# KiCad board panel_r0.1.kicad_pcb (continued)
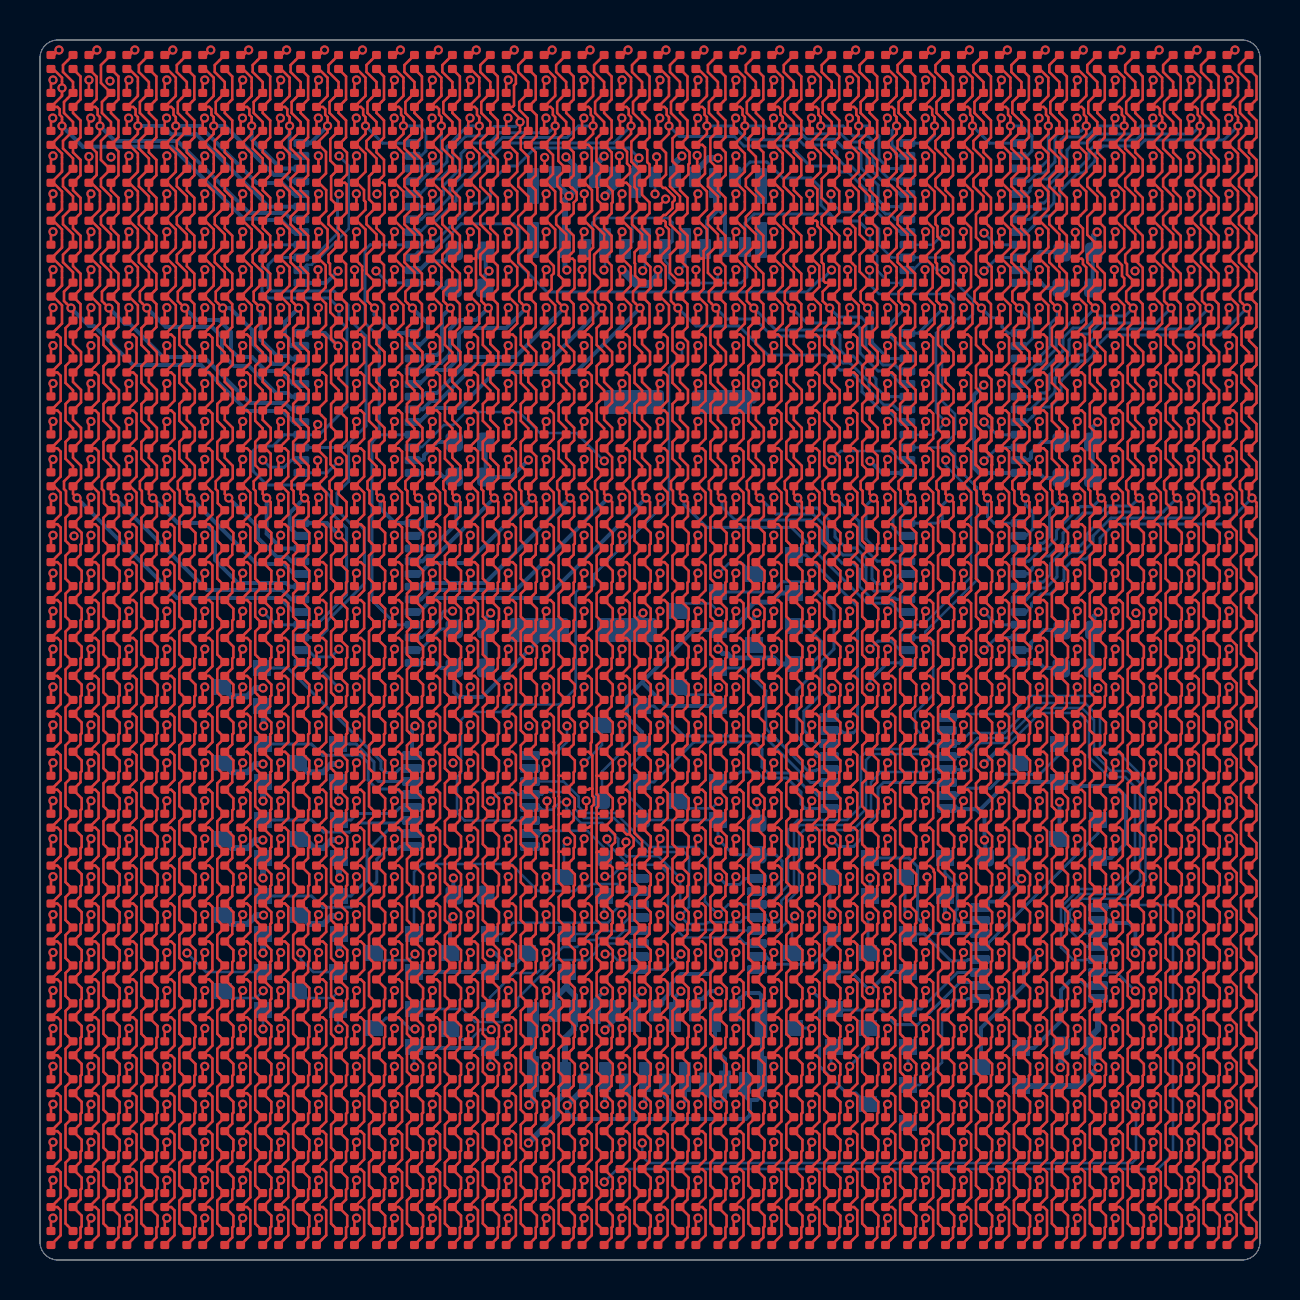
[diagram p0: board, top side]
## Routing (per net, layer and track width the routed paths; a pad name or vN(x,y) marks a point on that pad's centre or on a via; arc(x,y) is an arc through that point) (continued)
COL_GA2: length 79.5
  Top w0.127: D3.3 5.82,59.18 5.82,58.03 D35.3 5.44,57.35 5.82,56.98 5.82,56.13 D67.3 5.44,55.38 5.82,55.01 5.82,54.23 D99.3 5.44,53.49 5.82,53.11 5.82,52.34 D131.3 5.44,51.59 5.82,51.21 5.82,50.44 D163.3 5.44,49.69 5.82,49.32 5.82,48.54 D195.3 5.82,47.8 5.82,46.65 D227.3 5.44,45.8 5.84,45.4 5.84,44.78 D259.3 5.44,43.9 5.84,43.5 5.84,42.88 D291.3 5.44,42.01 5.84,41.61 5.84,40.98 D323.3 5.44,40.11 5.84,39.71 5.84,39.09 D355.3 5.44,38.3 v1(5.64,38.1) 5.84,37.9 5.84,37.19 D387.3 5.88,36.36 5.88,35.82 5.82,35.76 5.82,35.27 D419.3 5.88,34.46 5.88,33.92 5.82,33.87 5.82,33.37 D451.3 5.88,32.57 5.88,32.03 5.82,31.97 5.82,31.47 D483.3 5.88,30.67 5.88,30.13 5.82,30.07 5.82,29.58 D515.3 5.88,28.77 5.88,28.23 5.82,28.18 5.82,27.68 D547.3 5.88,26.87 5.88,26.34 5.82,26.28 5.82,25.78 D579.3 5.88,24.98 5.88,24.44 5.82,24.38 5.82,23.89 D611.3 5.88,23.08 5.88,22.54 5.82,22.49 5.82,21.99 D643.3 5.88,21.18 5.88,20.65 5.82,20.59 5.82,20.09 D675.3 5.88,19.29 5.88,18.75 5.82,18.69 5.82,18.2 D707.3 5.88,17.39 5.88,16.85 5.82,16.8 5.82,16.3 D739.3 5.88,15.49 5.88,14.96 5.82,14.9 5.82,14.4 D771.3 5.88,13.6 5.88,13.06 5.82,13 5.82,12.51 D803.3 5.88,11.7 5.88,11.16 5.82,11.11 5.82,10.61 D835.3 5.88,9.8 5.88,9.27 5.82,9.21 5.82,8.71 D867.3 5.88,7.91 5.88,7.37 5.82,7.31 5.82,6.82 D899.3 5.88,6.01 5.88,5.47 5.82,5.42 5.82,4.92 D931.3 5.88,4.11 5.88,3.58 5.82,3.52 5.82,3.02 D963.3 5.88,2.22 5.88,1.68 5.82,1.62 5.82,1.13 D995.3
  Bottom w0.2: v1(5.64,38.1) 6.89,36.85 8.25,36.85 8.75,36.35 8.75,35 9.9,33.85 12.3,33.85 12.48,33.67 U5.7
COL_GA3: length 76.5
  Top w0.127: D4.3 7.72,59.18 7.72,58.03 D36.3 7.34,57.35 7.72,56.98 7.72,56.13 D68.3 7.34,55.38 7.72,55.01 7.72,54.23 D100.3 7.34,53.49 7.72,53.11 7.72,52.34 D132.3 7.34,51.59 7.72,51.21 7.72,50.44 D164.3 7.34,49.69 7.72,49.32 7.72,48.54 D196.3 7.72,47.8 7.72,46.65 D228.3 7.34,45.8 7.74,45.4 7.74,44.78 D260.3 7.34,43.9 7.74,43.5 7.74,42.88 D292.3 7.34,42.01 7.74,41.61 7.74,40.98 D324.3 7.34,40.11 7.74,39.71 7.74,39.09 D356.3 7.34,38.3 v1(7.54,38.1) 7.74,37.9 7.74,37.19 D388.3 7.77,36.36 7.77,35.82 7.72,35.76 7.72,35.27 D420.3 7.77,34.46 7.77,33.92 7.72,33.87 7.72,33.37 D452.3 7.77,32.57 7.77,32.03 7.72,31.97 7.72,31.47 D484.3 7.77,30.67 7.77,30.13 7.72,30.07 7.72,29.58 D516.3 7.77,28.77 7.77,28.23 7.72,28.18 7.72,27.68 D548.3 7.77,26.87 7.77,26.34 7.72,26.28 7.72,25.78 D580.3 7.77,24.98 7.77,24.44 7.72,24.38 7.72,23.89 D612.3 7.77,23.08 7.77,22.54 7.72,22.49 7.72,21.99 D644.3 7.77,21.18 7.77,20.65 7.72,20.59 7.72,20.09 D676.3 7.77,19.29 7.77,18.75 7.72,18.69 7.72,18.2 D708.3 7.77,17.39 7.77,16.85 7.72,16.8 7.72,16.3 D740.3 7.77,15.49 7.77,14.96 7.72,14.9 7.72,14.4 D772.3 7.77,13.6 7.77,13.06 7.72,13 7.72,12.51 D804.3 7.77,11.7 7.77,11.16 7.72,11.11 7.72,10.61 D836.3 7.77,9.8 7.77,9.27 7.72,9.21 7.72,8.71 D868.3 7.77,7.91 7.77,7.37 7.72,7.31 7.72,6.82 D900.3 7.77,6.01 7.77,5.47 7.72,5.42 7.72,4.92 D932.3 7.77,4.11 7.77,3.58 7.72,3.52 7.72,3.02 D964.3 7.77,2.22 7.77,1.68 7.72,1.62 7.72,1.13 D996.3
  Bottom w0.2: U5.8 12.7,34.3 12.2,34.8 10.84,34.8 v1(7.54,38.1)
COL_GA4: length 74.7
  Top w0.127: D5.3 9.61,59.18 9.61,58.03 D37.3 9.24,57.35 9.61,56.98 9.61,56.13 D69.3 9.24,55.38 9.61,55.01 9.61,54.23 D101.3 9.24,53.49 9.61,53.11 9.61,52.34 D133.3 9.24,51.59 9.61,51.21 9.61,50.44 D165.3 9.24,49.69 9.61,49.32 9.61,48.54 D197.3 9.61,47.8 9.61,46.65 D229.3 9.24,45.8 9.64,45.4 9.64,44.78 D261.3 9.24,43.9 9.64,43.5 9.64,42.88 D293.3 9.24,42.01 9.64,41.61 9.64,40.98 D325.3 9.24,40.11 9.64,39.71 9.64,39.09 D357.3 9.24,38.3 v1(9.44,38.1) 9.64,37.9 9.64,37.19 D389.3 9.67,36.36 9.67,35.82 9.61,35.76 9.61,35.27 D421.3 9.67,34.46 9.67,33.92 9.61,33.87 9.61,33.37 D453.3 9.67,32.57 9.67,32.03 9.61,31.97 9.61,31.47 D485.3 9.67,30.67 9.67,30.13 9.61,30.07 9.61,29.58 D517.3 9.67,28.77 9.67,28.23 9.61,28.18 9.61,27.68 D549.3 9.67,26.87 9.67,26.34 9.61,26.28 9.61,25.78 D581.3 9.67,24.98 9.67,24.44 9.61,24.38 9.61,23.89 D613.3 9.67,23.08 9.67,22.54 9.61,22.49 9.61,21.99 D645.3 9.67,21.18 9.67,20.65 9.61,20.59 9.61,20.09 D677.3 9.67,19.29 9.67,18.75 9.61,18.69 9.61,18.2 D709.3 9.67,17.39 9.67,16.85 9.61,16.8 9.61,16.3 D741.3 9.67,15.49 9.67,14.96 9.61,14.9 9.61,14.4 D773.3 9.67,13.6 9.67,13.06 9.61,13 9.61,12.51 D805.3 9.67,11.7 9.67,11.16 9.61,11.11 9.61,10.61 D837.3 9.67,9.8 9.67,9.27 9.61,9.21 9.61,8.71 D869.3 9.67,7.91 9.67,7.37 9.61,7.31 9.61,6.82 D901.3 9.67,6.01 9.67,5.47 9.61,5.42 9.61,4.92 D933.3 9.67,4.11 9.67,3.58 9.61,3.52 9.61,3.02 D965.3 9.67,2.22 9.67,1.68 9.61,1.62 9.61,1.13 D997.3
  Bottom w0.2: v1(9.44,38.1) 10.9,36.64 10.9,36.1 11.85,35.15 12.36,35.15 12.57,34.94 U5.9
COL_GA5: length 73.3
  Top w0.127: D6.3 11.51,59.18 11.51,58.03 D38.3 11.14,57.35 11.51,56.98 11.51,56.13 D70.3 11.14,55.38 11.51,55.01 11.51,54.23 D102.3 11.14,53.49 11.51,53.11 11.51,52.34 D134.3 11.14,51.59 11.51,51.21 11.51,50.44 D166.3 11.14,49.69 11.51,49.32 11.51,48.54 D198.3 11.51,47.8 11.51,46.65 D230.3 11.14,45.8 11.53,45.4 11.53,44.78 D262.3 11.14,43.9 11.53,43.5 11.53,42.88 D294.3 11.14,42.01 11.53,41.61 11.53,40.98 D326.3 11.27,40.58 11.53,40.32 11.53,39.09 D358.3 11.14,38.3 v1(11.33,38.1) 11.53,37.9 11.53,37.19 D390.3 11.57,36.36 11.57,35.82 11.51,35.76 11.51,35.27 D422.3 11.57,34.46 11.57,33.92 11.51,33.87 11.51,33.37 D454.3 11.57,32.57 11.57,32.03 11.51,31.97 11.51,31.47 D486.3 11.57,30.67 11.57,30.13 11.51,30.07 11.51,29.58 D518.3 11.57,28.77 11.57,28.23 11.51,28.18 11.51,27.68 D550.3 11.57,26.87 11.57,26.34 11.51,26.28 11.51,25.78 D582.3 11.57,24.98 11.57,24.44 11.51,24.38 11.51,23.89 D614.3 11.57,23.08 11.57,22.54 11.51,22.49 11.51,21.99 D646.3 11.57,21.18 11.57,20.65 11.51,20.59 11.51,20.09 D678.3 11.57,19.29 11.57,18.75 11.51,18.69 11.51,18.2 D710.3 11.57,17.39 11.57,16.85 11.51,16.8 11.51,16.3 D742.3 11.57,15.49 11.57,14.96 11.51,14.9 11.51,14.4 D774.3 11.57,13.6 11.57,13.06 11.51,13 11.51,12.51 D806.3 11.57,11.7 11.57,11.16 11.51,11.11 11.51,10.61 D838.3 11.57,9.8 11.57,9.27 11.51,9.21 11.51,8.71 D870.3 11.57,7.91 11.57,7.37 11.51,7.31 11.51,6.82 D902.3 11.57,6.01 11.57,5.47 11.51,5.42 11.51,4.92 D934.3 11.57,4.11 11.57,3.58 11.51,3.52 11.51,3.02 D966.3 11.57,2.22 11.57,1.68 11.51,1.62 11.51,1.13 D998.3
  Bottom w0.2: v1(11.33,38.1) 11.33,36.32 12.08,35.57 U5.10
COL_GA6: length 72
  Top w0.127: D7.3 13.41,59.18 13.41,58.03 D39.3 13.03,57.35 13.41,56.98 13.41,56.13 D71.3 13.03,55.38 13.41,55.01 13.41,54.23 D103.3 13.03,53.49 13.41,53.11 13.41,52.34 D135.3 13.03,51.59 13.41,51.21 13.41,50.44 D167.3 13.03,49.69 13.41,49.32 13.41,48.54 D199.3 13.41,47.8 13.41,46.65 D231.3 13.03,45.8 13.43,45.4 13.43,44.78 D263.3 13.03,43.9 13.43,43.5 13.43,42.88 D295.3 13.03,42.01 13.43,41.61 13.43,40.98 D327.3 13.03,40.11 13.43,39.71 13.43,39.09 D359.3 13.03,38.3 v1(13.23,38.1) 13.43,37.9 13.43,37.19 D391.3 13.46,36.36 13.46,35.82 13.41,35.76 13.41,35.27 D423.3 13.46,34.46 13.46,33.92 13.41,33.87 13.41,33.37 D455.3 13.46,32.57 13.46,32.03 13.41,31.97 13.41,31.47 D487.3 13.46,30.67 13.46,30.13 13.41,30.07 13.41,29.58 D519.3 13.46,28.77 13.46,28.23 13.41,28.18 13.41,27.68 D551.3 13.46,26.87 13.46,26.34 13.41,26.28 13.41,25.78 D583.3 13.46,24.98 13.46,24.44 13.41,24.38 13.41,23.89 D615.3 13.46,23.08 13.46,22.54 13.41,22.49 13.41,21.99 D647.3 13.46,21.18 13.46,20.65 13.41,20.59 13.41,20.09 D679.3 13.46,19.29 13.46,18.75 13.41,18.69 13.41,18.2 D711.3 13.46,17.39 13.46,16.85 13.41,16.8 13.41,16.3 D743.3 13.46,15.49 13.46,14.96 13.41,14.9 13.41,14.4 D775.3 13.46,13.6 13.46,13.06 13.41,13 13.41,12.51 D807.3 13.46,11.7 13.46,11.16 13.41,11.11 13.41,10.61 D839.3 13.46,9.8 13.46,9.27 13.41,9.21 13.41,8.71 D871.3 13.46,7.91 13.46,7.37 13.41,7.31 13.41,6.82 D903.3 13.46,6.01 13.46,5.47 13.41,5.42 13.41,4.92 D935.3 13.46,4.11 13.46,3.58 13.41,3.52 13.41,3.02 D967.3 13.46,2.22 13.46,1.68 13.41,1.62 13.41,1.13 D999.3
  Bottom w0.2: v1(13.23,38.1) 12.48,37.35 12.48,36.62 12.9,36.21 U5.11
COL_GA7: length 71.9
  Top w0.127: D8.3 15.3,59.18 15.3,58.03 D40.3 14.93,57.35 15.3,56.98 15.3,56.13 D72.3 14.96,55.76 15.35,55.37 15.35,54.28 D104.3 15.25,53.86 15.33,53.78 15.33,52.37 D136.3 14.93,51.59 15.3,51.21 15.3,50.44 D168.3 15.03,50.07 15.3,49.8 15.3,48.54 D200.3 14.98,48.17 15.33,47.82 15.33,46.68 D232.3 15.33,45.88 15.33,44.78 D264.3 14.93,44.07 15.35,43.65 15.35,42.9 D296.3 15.33,42.08 15.33,40.99 D328.3 15.33,40.18 15.33,39.09 D360.3 14.93,38.3 15.33,37.9 15.33,37.19 D392.3 14.93,36.26 v1(14.94,36.25) 15.3,35.88 15.3,35.27 D424.3 15.36,34.46 15.36,33.92 15.3,33.87 15.3,33.37 D456.3 15.36,32.57 15.36,32.03 15.3,31.97 15.3,31.47 D488.3 15.36,30.67 15.36,30.13 15.3,30.07 15.3,29.58 D520.3 15.36,28.77 15.36,28.23 15.3,28.18 15.3,27.68 D552.3 15.36,26.87 15.36,26.34 15.3,26.28 15.3,25.78 D584.3 15.36,24.98 15.36,24.44 15.3,24.38 15.3,23.89 D616.3 15.36,23.08 15.36,22.54 15.3,22.49 15.3,21.99 D648.3 15.36,21.18 15.36,20.65 15.3,20.59 15.3,20.09 D680.3 15.36,19.29 15.36,18.75 15.3,18.69 15.3,18.2 D712.3 15.36,17.39 15.36,16.85 15.3,16.8 15.3,16.3 D744.3 15.36,15.49 15.36,14.96 15.3,14.9 15.3,14.4 D776.3 15.36,13.6 15.36,13.06 15.3,13 15.3,12.51 D808.3 15.36,11.7 15.36,11.16 15.3,11.11 15.3,10.61 D840.3 15.36,9.8 15.36,9.27 15.3,9.21 15.3,8.71 D872.3 15.36,7.91 15.36,7.37 15.3,7.31 15.3,6.82 D904.3 15.36,6.01 15.36,5.47 15.3,5.42 15.3,4.92 D936.3 15.36,4.11 15.36,3.58 15.3,3.52 15.3,3.02 D968.3 15.36,2.22 15.36,1.68 15.3,1.62 15.3,1.13 D1000.3
  Bottom w0.2: v1(14.94,36.25) 14.34,36.84 U5.12
COL_GA8: length 72.1
  Top w0.127: D9.3 17.2,59.18 17.2,58.03 D41.3 16.83,57.35 17.2,56.98 17.2,56.13 D73.3 16.83,55.38 17.2,55.01 17.2,54.23 D105.3 17.15,53.86 17.23,53.78 17.23,52.37 D137.3 16.83,51.59 17.2,51.21 17.2,50.44 D169.3 16.88,50.07 17.2,49.75 17.2,48.54 D201.3 17.2,47.8 17.2,46.65 D233.3 16.83,45.8 17.22,45.4 17.22,44.78 D265.3 16.83,43.9 17.22,43.5 17.22,42.88 D297.3 16.83,42.01 17.22,41.61 17.22,40.98 D329.3 16.83,40.11 17.22,39.71 17.22,39.09 D361.3 16.83,38.3 v1(17.02,38.1) 17.22,37.9 17.22,37.19 D393.3 17.26,36.36 17.26,35.82 17.2,35.76 17.2,35.27 D425.3 17.26,34.46 17.26,33.92 17.2,33.87 17.2,33.37 D457.3 17.26,32.57 17.26,32.03 17.2,31.97 17.2,31.47 D489.3 17.26,30.67 17.26,30.13 17.2,30.07 17.2,29.58 D521.3 17.26,28.77 17.26,28.23 17.2,28.18 17.2,27.68 D553.3 17.26,26.87 17.26,26.34 17.2,26.28 17.2,25.78 D585.3 17.26,24.98 17.26,24.44 17.2,24.38 17.2,23.89 D617.3 17.26,23.08 17.26,22.54 17.2,22.49 17.2,21.99 D649.3 17.26,21.18 17.26,20.65 17.2,20.59 17.2,20.09 D681.3 17.26,19.29 17.26,18.75 17.2,18.69 17.2,18.2 D713.3 17.26,17.39 17.26,16.85 17.2,16.8 17.2,16.3 D745.3 17.26,15.49 17.26,14.96 17.2,14.9 17.2,14.4 D777.3 17.26,13.6 17.26,13.06 17.2,13 17.2,12.51 D809.3 17.26,11.7 17.26,11.16 17.2,11.11 17.2,10.61 D841.3 17.26,9.8 17.26,9.27 17.2,9.21 17.2,8.71 D873.3 17.26,7.91 17.26,7.37 17.2,7.31 17.2,6.82 D905.3 17.26,6.01 17.26,5.47 17.2,5.42 17.2,4.92 D937.3 17.26,4.11 17.26,3.58 17.2,3.52 17.2,3.02 D969.3 17.26,2.22 17.26,1.68 17.2,1.62 17.2,1.13 D1001.3
  Bottom w0.2: v1(17.02,38.1) 17.02,37.58 17.76,36.84 U5.13
COL_GA9: length 71.9
  Top w0.127: D10.3 19.1,59.18 19.1,58.03 D42.3 18.72,57.35 19.1,56.98 19.1,56.13 D74.3 18.72,55.38 19.1,55.01 19.1,54.23 D106.3 18.72,53.49 19.1,53.11 19.1,52.34 D138.3 18.72,51.59 19.1,51.21 19.1,50.44 D170.3 18.72,49.69 19.1,49.32 19.1,48.54 D202.3 19.1,47.8 19.1,46.65 D234.3 18.72,45.8 19.12,45.4 19.12,44.78 D266.3 18.72,43.9 19.12,43.5 19.12,42.88 D298.3 18.72,42.01 19.12,41.61 19.12,40.98 D330.3 18.72,40.11 19.12,39.71 19.12,39.09 D362.3 18.72,38.3 v1(18.92,38.1) 19.12,37.9 19.12,37.19 D394.3 19.15,36.36 19.15,35.82 19.1,35.76 19.1,35.27 D426.3 19.15,34.46 19.15,33.92 19.1,33.87 19.1,33.37 D458.3 19.15,32.57 19.15,32.03 19.1,31.97 19.1,31.47 D490.3 19.15,30.67 19.15,30.13 19.1,30.07 19.1,29.58 D522.3 19.15,28.77 19.15,28.23 19.1,28.18 19.1,27.68 D554.3 19.15,26.87 19.15,26.34 19.1,26.28 19.1,25.78 D586.3 19.15,24.98 19.15,24.44 19.1,24.38 19.1,23.89 D618.3 19.15,23.08 19.15,22.54 19.1,22.49 19.1,21.99 D650.3 19.15,21.18 19.15,20.65 19.1,20.59 19.1,20.09 D682.3 19.15,19.29 19.15,18.75 19.1,18.69 19.1,18.2 D714.3 19.15,17.39 19.15,16.85 19.1,16.8 19.1,16.3 D746.3 19.15,15.49 19.15,14.96 19.1,14.9 19.1,14.4 D778.3 19.15,13.6 19.15,13.06 19.1,13 19.1,12.51 D810.3 19.15,11.7 19.15,11.16 19.1,11.11 19.1,10.61 D842.3 19.15,9.8 19.15,9.27 19.1,9.21 19.1,8.71 D874.3 19.15,7.91 19.15,7.37 19.1,7.31 19.1,6.82 D906.3 19.15,6.01 19.15,5.47 19.1,5.42 19.1,4.92 D938.3 19.15,4.11 19.15,3.58 19.1,3.52 19.1,3.02 D970.3 19.15,2.22 19.15,1.68 19.1,1.62 19.1,1.13 D1002.3
  Bottom w0.2: U5.14 18.91,36.21 19.3,36.6 19.3,37.72 v1(18.92,38.1)
COL_GA10: length 73.4
  Top w0.127: D11.3 20.99,59.18 20.99,58.03 D43.3 20.62,57.35 20.99,56.98 20.99,56.13 D75.3 20.62,55.38 20.99,55.01 20.99,54.23 D107.3 20.62,53.49 20.99,53.11 20.99,52.34 D139.3 20.62,51.59 20.99,51.21 20.99,50.44 D171.3 20.62,49.69 20.99,49.32 20.99,48.54 D203.3 20.99,47.8 20.99,46.65 D235.3 20.62,45.8 21.02,45.4 21.02,44.78 D267.3 20.62,43.9 21.02,43.5 21.02,42.88 D299.3 20.62,42.01 21.02,41.61 21.02,40.98 D331.3 20.62,40.11 21.02,39.71 21.02,39.09 D363.3 20.62,38.3 v1(20.82,38.1) 21.02,37.9 21.02,37.19 D395.3 21.05,36.36 21.05,35.82 20.99,35.76 20.99,35.27 D427.3 21.05,34.46 21.05,33.92 20.99,33.87 20.99,33.37 D459.3 21.05,32.57 21.05,32.03 20.99,31.97 20.99,31.47 D491.3 21.05,30.67 21.05,30.13 20.99,30.07 20.99,29.58 D523.3 21.05,28.77 21.05,28.23 20.99,28.18 20.99,27.68 D555.3 21.05,26.87 21.05,26.34 20.99,26.28 20.99,25.78 D587.3 21.05,24.98 21.05,24.44 20.99,24.38 20.99,23.89 D619.3 21.05,23.08 21.05,22.54 20.99,22.49 20.99,21.99 D651.3 21.05,21.18 21.05,20.65 20.99,20.59 20.99,20.09 D683.3 21.05,19.29 21.05,18.75 20.99,18.69 20.99,18.2 D715.3 21.05,17.39 21.05,16.85 20.99,16.8 20.99,16.3 D747.3 21.05,15.49 21.05,14.96 20.99,14.9 20.99,14.4 D779.3 21.05,13.6 21.05,13.06 20.99,13 20.99,12.51 D811.3 21.05,11.7 21.05,11.16 20.99,11.11 20.99,10.61 D843.3 21.05,9.8 21.05,9.27 20.99,9.21 20.99,8.71 D875.3 21.05,7.91 21.05,7.37 20.99,7.31 20.99,6.82 D907.3 21.05,6.01 21.05,5.47 20.99,5.42 20.99,4.92 D939.3 21.05,4.11 21.05,3.58 20.99,3.52 20.99,3.02 D971.3 21.05,2.22 21.05,1.68 20.99,1.62 20.99,1.13 D1003.3
  Bottom w0.2: v1(20.82,38.1) 20.82,36.82 19.57,35.57 U5.15
COL_GA11: length 74.8
  Top w0.127: D1004.3 22.89,1.13 22.89,1.62 22.95,1.68 22.95,2.22 D972.3 22.89,3.02 22.89,3.52 22.95,3.58 22.95,4.11 D940.3 22.89,4.92 22.89,5.42 22.95,5.47 22.95,6.01 D908.3 22.89,6.82 22.89,7.31 22.95,7.37 22.95,7.91 D876.3 22.89,8.71 22.89,9.21 22.95,9.27 22.95,9.8 D844.3 22.89,10.61 22.89,11.11 22.95,11.16 22.95,11.7 D812.3 22.89,12.51 22.89,13 22.95,13.06 22.95,13.6 D780.3 22.89,14.4 22.89,14.9 22.95,14.96 22.95,15.49 D748.3 22.89,16.3 22.89,16.8 22.95,16.85 22.95,17.39 D716.3 22.89,18.2 22.89,18.69 22.95,18.75 22.95,19.29 D684.3 22.89,20.09 22.89,20.59 22.95,20.65 22.95,21.18 D652.3 22.89,21.99 22.89,22.49 22.95,22.54 22.95,23.08 D620.3 22.89,23.89 22.89,24.38 22.95,24.44 22.95,24.98 D588.3 22.89,25.78 22.89,26.28 22.95,26.34 22.95,26.87 D556.3 22.89,27.68 22.89,28.18 22.95,28.23 22.95,28.77 D524.3 22.89,29.58 22.89,30.07 22.95,30.13 22.95,30.67 D492.3 22.89,31.47 22.89,31.97 22.95,32.03 22.95,32.57 D460.3 22.89,33.37 22.89,33.87 22.95,33.92 22.95,34.46 D428.3 22.89,35.27 22.89,35.76 22.95,35.82 22.95,36.36 D396.3 22.91,37.19 22.91,37.9 v1(22.71,38.1) 22.52,38.3 D364.3 22.91,39.09 22.91,39.71 22.52,40.11 D332.3 22.91,40.98 22.91,41.61 22.52,42.01 D300.3 22.91,42.88 22.91,43.5 22.52,43.9 D268.3 22.91,44.78 22.91,45.4 22.52,45.8 D236.3 22.89,46.65 22.89,47.8 D204.3 22.89,48.54 22.89,49.71 22.53,50.07 D172.3 22.89,50.44 22.89,51.21 22.52,51.59 D140.3 22.89,52.34 22.89,53.11 22.52,53.49 D108.3 22.89,54.23 22.89,55.01 22.52,55.38 D76.3 22.89,56.13 22.89,56.98 22.52,57.35 D44.3 22.89,58.03 22.89,59.18 D12.3
  Bottom w0.2: U5.16 19.13,34.94 19.39,35.2 19.81,35.2 v1(22.71,38.1)
COL_GA12: length 77
  Top w0.127: D1005.3 24.79,1.13 24.79,1.62 24.84,1.68 24.84,2.22 D973.3 24.79,3.02 24.79,3.52 24.84,3.58 24.84,4.11 D941.3 24.79,4.92 24.79,5.42 24.84,5.47 24.84,6.01 D909.3 24.79,6.82 24.79,7.31 24.84,7.37 24.84,7.91 D877.3 24.79,8.71 24.79,9.21 24.84,9.27 24.84,9.8 D845.3 24.79,10.61 24.79,11.11 24.84,11.16 24.84,11.7 D813.3 24.79,12.51 24.79,13 24.84,13.06 24.84,13.6 D781.3 24.79,14.4 24.79,14.9 24.84,14.96 24.84,15.49 D749.3 24.79,16.3 24.79,16.8 24.84,16.85 24.84,17.39 D717.3 24.79,18.2 24.79,18.69 24.84,18.75 24.84,19.29 D685.3 24.79,20.09 24.79,20.59 24.84,20.65 24.84,21.18 D653.3 24.79,21.99 24.79,22.49 24.84,22.54 24.84,23.08 D621.3 24.79,23.89 24.79,24.38 24.84,24.44 24.84,24.98 D589.3 24.79,25.78 24.79,26.28 24.84,26.34 24.84,26.87 D557.3 24.79,27.68 24.79,28.18 24.84,28.23 24.84,28.77 D525.3 24.79,29.58 24.79,30.07 24.84,30.13 24.84,30.67 D493.3 24.79,31.47 24.79,31.97 24.84,32.03 24.84,32.57 D461.3 24.79,33.37 24.79,33.87 24.84,33.92 24.84,34.46 D429.3 24.79,35.27 24.79,35.76 24.84,35.82 24.84,36.36 D397.3 24.81,37.19 24.81,37.9 v1(24.61,38.1) 24.41,38.3 D365.3 24.81,39.09 24.81,40.18 D333.3 24.81,40.98 24.81,41.61 24.41,42.01 D301.3 24.81,42.88 24.81,43.5 24.41,43.9 D269.3 24.81,44.78 24.81,45.4 24.41,45.8 D237.3 24.79,46.65 24.79,47.8 D205.3 24.79,48.54 24.79,49.69 D173.3 24.79,50.44 24.79,51.59 D141.3 24.79,52.34 24.79,53.49 D109.3 24.79,54.23 24.79,55.38 D77.3 24.83,56.18 24.83,57.23 D45.3 24.79,58.03 24.79,59.18 D13.3
  Bottom w0.2: v1(24.61,38.1) 21.36,34.85 19.51,34.85 18.96,34.3 U5.17
COL_GA13: length 79.5
  Top w0.127: D14.3 26.68,59.18 26.68,58.03 D46.3 26.31,57.35 26.68,56.98 26.68,56.13 D78.3 26.68,55.38 26.68,54.23 D110.3 26.57,53.6 26.61,53.6 26.83,53.38 26.83,53.02 26.68,52.87 26.68,52.34 D142.3 26.31,51.59 26.68,51.21 26.68,50.44 D174.3 26.63,50.07 26.72,49.97 26.72,48.59 D206.3 26.68,47.8 26.68,46.65 D238.3 26.31,45.8 26.71,45.4 26.71,44.78 D270.3 26.31,43.9 26.71,43.5 26.71,42.88 D302.3 26.31,42.01 26.71,41.61 26.71,40.98 D334.3 26.31,40.11 26.71,39.71 26.71,39.09 D366.3 26.31,38.3 v1(26.51,38.1) 26.71,37.9 26.71,37.19 D398.3 26.74,36.36 26.74,35.82 26.68,35.76 26.68,35.27 D430.3 26.74,34.46 26.74,33.92 26.68,33.87 26.68,33.37 D462.3 26.74,32.57 26.74,32.03 26.68,31.97 26.68,31.47 D494.3 26.74,30.67 26.74,30.13 26.68,30.07 26.68,29.58 D526.3 26.74,28.77 26.74,28.23 26.68,28.18 26.68,27.68 D558.3 26.74,26.87 26.74,26.34 26.68,26.28 26.68,25.78 D590.3 26.74,24.98 26.74,24.44 26.68,24.38 26.68,23.89 D622.3 26.74,23.08 26.74,22.54 26.68,22.49 26.68,21.99 D654.3 26.74,21.18 26.74,20.65 26.68,20.59 26.68,20.09 D686.3 26.74,19.29 26.74,18.75 26.68,18.69 26.68,18.2 D718.3 26.74,17.39 26.74,16.85 26.68,16.8 26.68,16.3 D750.3 26.74,15.49 26.74,14.96 26.68,14.9 26.68,14.4 D782.3 26.74,13.6 26.74,13.06 26.68,13 26.68,12.51 D814.3 26.74,11.7 26.74,11.16 26.68,11.11 26.68,10.61 D846.3 26.74,9.8 26.74,9.27 26.68,9.21 26.68,8.71 D878.3 26.74,7.91 26.74,7.37 26.68,7.31 26.68,6.82 D910.3 26.74,6.01 26.74,5.47 26.68,5.42 26.68,4.92 D942.3 26.74,4.11 26.74,3.58 26.68,3.52 26.68,3.02 D974.3 26.74,2.22 26.74,1.68 26.68,1.62 26.68,1.13 D1006.3
  Bottom w0.2: U5.18 19.13,33.67 19.31,33.85 22.26,33.85 v1(26.51,38.1)
COL_GA14: length 81.7
  Top w0.127: D15.3 28.58,59.18 28.58,58.03 D47.3 28.21,57.35 28.58,56.98 28.58,56.13 D79.3 28.59,55.38 28.59,54.24 D111.3 28.63,53.43 28.63,52.89 28.58,52.83 28.58,52.34 D143.3 28.21,51.59 28.58,51.21 28.58,50.44 D175.3 28.23,50.07 28.58,49.72 28.58,48.54 D207.3 28.58,47.8 28.58,46.65 D239.3 28.21,45.8 28.6,45.4 28.6,44.78 D271.3 28.21,43.9 28.6,43.5 28.6,42.88 D303.3 28.21,42.01 28.6,41.61 28.6,40.98 D335.3 28.21,40.54 28.6,40.15 28.6,39.09 D367.3 28.21,38.3 v1(28.4,38.1) 28.6,37.9 28.6,37.19 D399.3 28.64,36.36 28.64,35.82 28.58,35.76 28.58,35.27 D431.3 28.64,34.46 28.64,33.92 28.58,33.87 28.58,33.37 D463.3 28.64,32.57 28.64,32.03 28.58,31.97 28.58,31.47 D495.3 28.64,30.67 28.64,30.13 28.58,30.07 28.58,29.58 D527.3 28.64,28.77 28.64,28.23 28.58,28.18 28.58,27.68 D559.3 28.64,26.87 28.64,26.34 28.58,26.28 28.58,25.78 D591.3 28.64,24.98 28.64,24.44 28.58,24.38 28.58,23.89 D623.3 28.64,23.08 28.64,22.54 28.58,22.49 28.58,21.99 D655.3 28.41,21.62 28.75,21.27 28.75,20.88 28.58,20.71 28.58,20.09 D687.3 28.53,19.72 28.62,19.62 28.62,18.24 D719.3 28.64,17.39 28.64,16.85 28.58,16.8 28.58,16.3 D751.3 28.64,15.49 28.64,14.96 28.58,14.9 28.58,14.4 D783.3 28.64,13.6 28.64,13.06 28.58,13 28.58,12.51 D815.3 28.64,11.7 28.64,11.16 28.58,11.11 28.58,10.61 D847.3 28.64,9.8 28.64,9.27 28.58,9.21 28.58,8.71 D879.3 28.64,7.91 28.64,7.37 28.58,7.31 28.58,6.82 D911.3 28.64,6.01 28.64,5.47 28.58,5.42 28.58,4.92 D943.3 28.64,4.11 28.64,3.58 28.58,3.52 28.58,3.02 D975.3 28.64,2.22 28.64,1.68 28.58,1.62 28.58,1.13 D1007.3
  Bottom w0.2: U5.19 19.06,33.03 19.52,33.5 23.8,33.5 v1(28.4,38.1)
COL_GA15: length 83.5
  Top w0.127: D16.3 30.48,59.18 30.48,58.03 D48.3 30.1,57.35 30.48,56.98 30.48,56.13 D80.3 30.36,55.5 30.36,54.89 30.48,54.78 30.48,54.23 D112.3 30.1,53.25 30.48,52.88 30.48,52.34 D144.3 30.1,51.59 30.48,51.21 30.48,50.44 D176.3 30.52,49.65 30.52,48.59 D208.3 30.48,47.8 30.48,46.65 D240.3 30.1,45.8 30.5,45.4 30.5,44.78 D272.3 30.1,43.9 30.5,43.5 30.5,42.88 D304.3 30.1,42.01 30.5,41.61 30.5,40.98 D336.3 30.1,40.11 30.5,39.71 30.5,39.09 D368.3 30.1,38.3 v1(30.3,38.1) 30.5,37.9 30.5,37.19 D400.3 30.53,36.36 30.53,35.82 30.48,35.76 30.48,35.27 D432.3 30.53,34.46 30.53,33.92 30.48,33.87 30.48,33.37 D464.3 30.53,32.57 30.53,32.03 30.48,31.97 30.48,31.47 D496.3 30.53,30.67 30.53,30.13 30.48,30.07 30.48,29.58 D528.3 30.53,28.77 30.53,28.23 30.48,28.18 30.48,27.68 D560.3 30.53,26.87 30.53,26.34 30.48,26.28 30.48,25.78 D592.3 30.53,24.98 30.53,24.44 30.48,24.38 30.48,23.89 D624.3 30.53,23.08 30.53,22.54 30.48,22.49 30.48,21.99 D656.3 30.53,21.18 30.53,20.65 30.48,20.59 30.48,20.09 D688.3 30.53,19.29 30.53,18.75 30.48,18.69 30.48,18.2 D720.3 30.53,17.39 30.53,16.85 30.48,16.8 30.48,16.3 D752.3 30.53,15.49 30.53,14.96 30.48,14.9 30.48,14.4 D784.3 30.53,13.6 30.53,13.06 30.48,13 30.48,12.51 D816.3 30.53,11.7 30.53,11.16 30.48,11.11 30.48,10.61 D848.3 30.53,9.8 30.53,9.27 30.48,9.21 30.48,8.71 D880.3 30.53,7.91 30.53,7.37 30.48,7.31 30.48,6.82 D912.3 30.53,6.01 30.53,5.47 30.48,5.42 30.48,4.92 D944.3 30.53,4.11 30.53,3.58 30.48,3.52 30.48,3.02 D976.3 30.53,2.22 30.53,1.68 30.48,1.62 30.48,1.13 D1008.3
  Bottom w0.2: U5.20 18.95,32.4 19.65,33.1 25.3,33.1 v1(30.3,38.1)
COL_GA16: length 83.3
  Top w0.127: D17.3 32.37,59.18 32.37,58.03 D49.3 32,57.35 32.37,56.98 32.37,56.13 D81.3 32.11,55.76 32.48,55.39 32.48,54.83 32.42,54.78 32.42,54.28 D113.3 32,53.49 32.37,53.11 32.37,52.34 D145.3 32,51.59 32.37,51.21 32.37,50.44 D177.3 32,50 32.37,49.62 32.37,48.54 D209.3 32.37,47.8 32.37,46.65 D241.3 32.03,46.27 32.4,45.9 32.4,44.78 D273.3 32,43.9 32.4,43.5 32.4,42.88 D305.3 32,42.01 32.4,41.61 32.4,40.98 D337.3 32,40.11 32.4,39.71 32.4,39.09 D369.3 32,38.3 v1(32.2,38.1) 32.4,37.9 32.4,37.19 D401.3 32.43,36.36 32.43,35.82 32.37,35.76 32.37,35.27 D433.3 32.43,34.46 32.43,33.92 32.37,33.87 32.37,33.37 D465.3 32.43,32.57 32.43,32.03 32.37,31.97 32.37,31.47 D497.3 32.43,30.67 32.43,30.13 32.37,30.07 32.37,29.58 D529.3 32.43,28.77 32.43,28.23 32.37,28.18 32.37,27.68 D561.3 32.43,26.87 32.43,26.34 32.37,26.28 32.37,25.78 D593.3 32.43,24.98 32.43,24.44 32.37,24.38 32.37,23.89 D625.3 32.43,23.08 32.43,22.54 32.37,22.49 32.37,21.99 D657.3 32.43,21.18 32.43,20.65 32.37,20.59 32.37,20.09 D689.3 32.43,19.29 32.43,18.75 32.37,18.69 32.37,18.2 D721.3 32.43,17.39 32.43,16.85 32.37,16.8 32.37,16.3 D753.3 32.43,15.49 32.43,14.96 32.37,14.9 32.37,14.4 D785.3 32.43,13.6 32.43,13.06 32.37,13 32.37,12.51 D817.3 32.43,11.7 32.43,11.16 32.37,11.11 32.37,10.61 D849.3 32.43,9.8 32.43,9.27 32.37,9.21 32.37,8.71 D881.3 32.43,7.91 32.43,7.37 32.37,7.31 32.37,6.82 D913.3 32.43,6.01 32.43,5.47 32.37,5.42 32.37,4.92 D945.3 32.43,4.11 32.43,3.58 32.37,3.52 32.37,3.02 D977.3 32.43,2.22 32.43,1.68 32.37,1.62 32.37,1.13 D1009.3
  Bottom w0.15: v1(32.2,38.1) 32.2,37.77 33.34,36.63 37.57,36.63 41.36,32.84 42.56,32.84 42.95,32.45 43.32,32.45 U6.5
COL_GA17: length 81.9
  Top w0.127: D18.3 34.27,59.18 34.27,58.03 D50.3 33.9,57.35 34.27,56.98 34.27,56.13 D82.3 34.28,55.37 34.28,54.25 D114.3 33.9,53.49 34.27,53.11 34.27,52.34 D146.3 33.9,51.59 34.27,51.21 34.27,50.44 D178.3 33.9,50.05 34.27,49.68 34.27,48.54 D210.3 34.27,47.8 34.27,46.65 D242.3 33.9,45.8 34.3,45.4 34.3,44.78 D274.3 33.9,43.9 34.3,43.5 34.3,42.88 D306.3 33.9,42.01 34.3,41.61 34.3,40.98 D338.3 33.9,40.11 34.3,39.71 34.3,39.09 D370.3 33.9,38.3 v1(34.1,38.1) 34.3,37.9 34.3,37.19 D402.3 34.33,36.36 34.33,35.82 34.27,35.76 34.27,35.27 D434.3 34.33,34.46 34.33,33.92 34.27,33.87 34.27,33.37 D466.3 34.33,32.57 34.33,32.03 34.27,31.97 34.27,31.47 D498.3 34.33,30.67 34.33,30.13 34.27,30.07 34.27,29.58 D530.3 34.33,28.77 34.33,28.23 34.27,28.18 34.27,27.68 D562.3 34.33,26.87 34.33,26.34 34.27,26.28 34.27,25.78 D594.3 34.33,24.98 34.33,24.44 34.27,24.38 34.27,23.89 D626.3 34.33,23.08 34.33,22.54 34.27,22.49 34.27,21.99 D658.3 34.33,21.18 34.33,20.65 34.27,20.59 34.27,20.09 D690.3 34.33,19.29 34.33,18.75 34.27,18.69 34.27,18.2 D722.3 34.33,17.39 34.33,16.85 34.27,16.8 34.27,16.3 D754.3 34.33,15.49 34.33,14.96 34.27,14.9 34.27,14.4 D786.3 34.33,13.6 34.33,13.06 34.27,13 34.27,12.51 D818.3 34.33,11.7 34.33,11.16 34.27,11.11 34.27,10.61 D850.3 34.33,9.8 34.33,9.27 34.27,9.21 34.27,8.71 D882.3 34.33,7.91 34.33,7.37 34.27,7.31 34.27,6.82 D914.3 34.33,6.01 34.33,5.47 34.27,5.42 34.27,4.92 D946.3 34.33,4.11 34.33,3.58 34.27,3.52 34.27,3.02 D978.3 34.33,2.22 34.33,1.68 34.27,1.62 34.27,1.13 D1010.3